# Allegro board RK_NVR_DEMO1_RK3588_LP4XD200P232SD8_V21_20211228_final_lint.brd (continued)
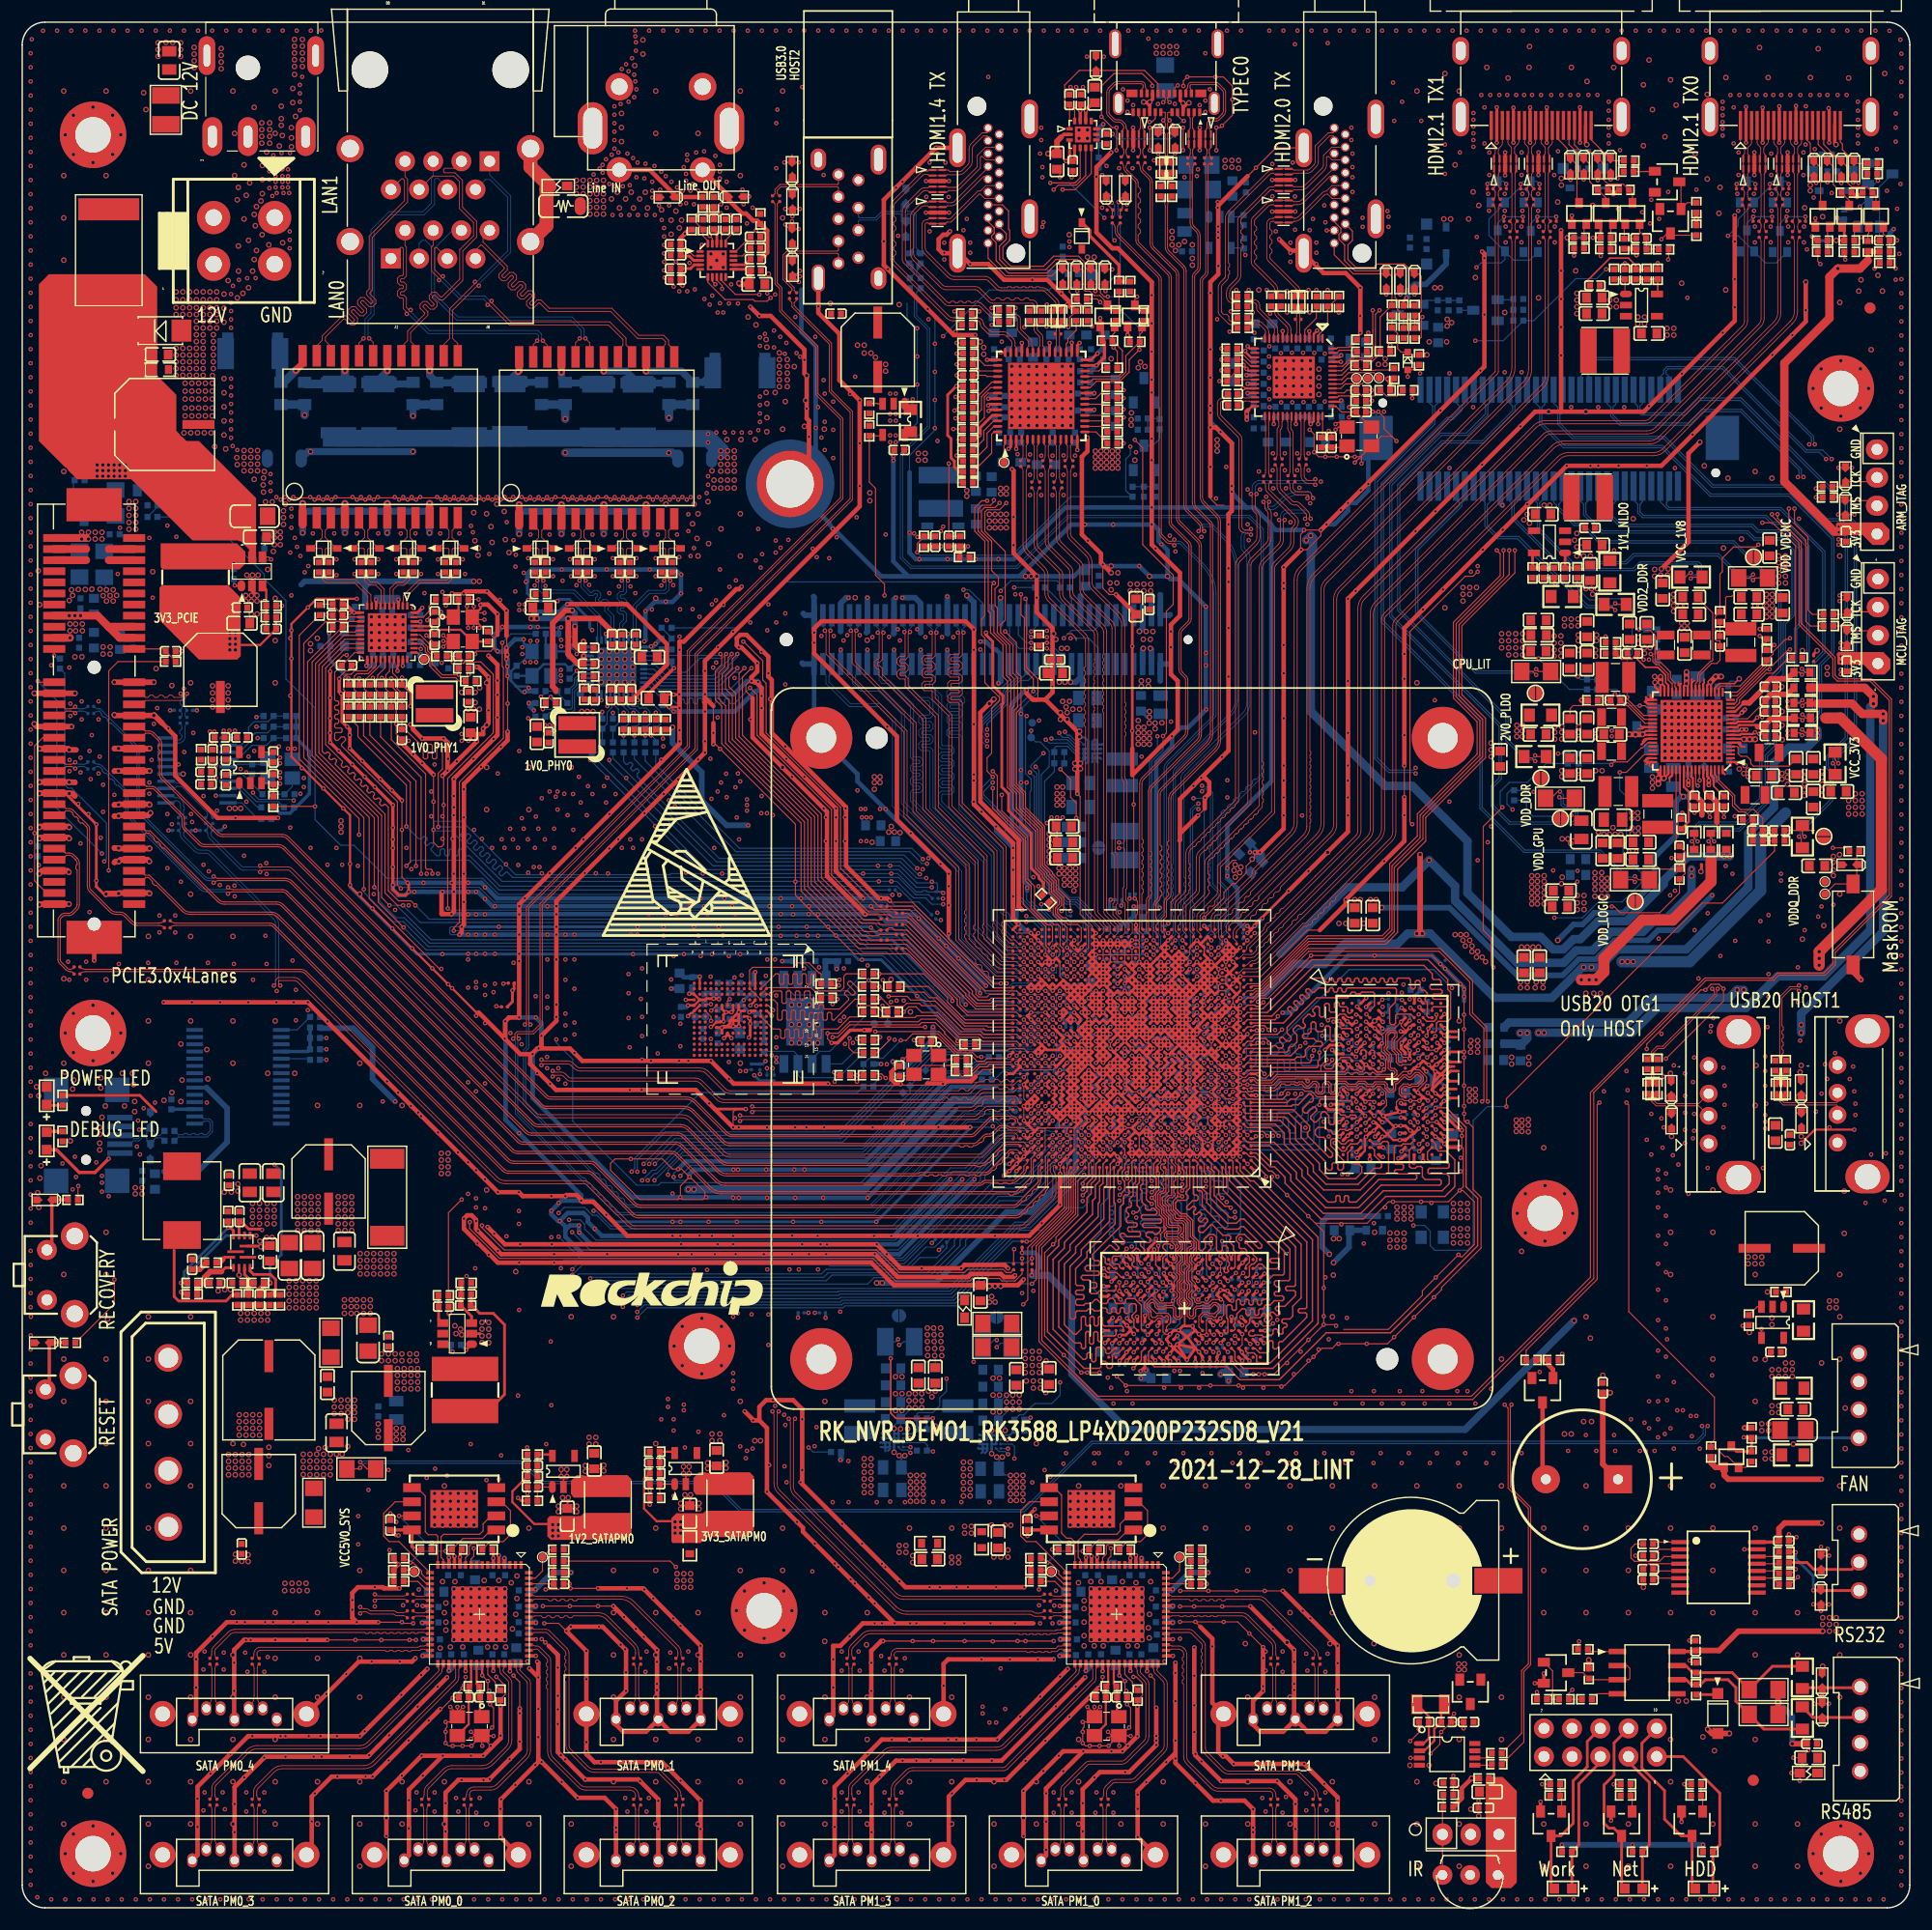
[diagram p0: board, top side]
## Routing (per net, layer and track width the routed paths; a pad name or vN(x,y) marks a point on that pad's centre or on a via; arc(x,y) is an arc through that point) (continued)
  BOTTOM w0.254: v2(163.45,150.3) 163.43,150.29 161.64,150.29 v1(161.26,150.66) ; R1111.1 R1112.1 66.72,76.06 v1(66.98,76.32) ; v2(139.22,150.54) v1(141.53,150.54) ; v1(105.2,85.26) 105.01,85.45 C1421.1 ; R1118.1 R1117.1 66.47,74.54 v1(65.96,75.05) ; C1901.1 94.09,78.71 v1(94.15,78.76) ; R1115.1 69.9,53.61 v1(69.9,53.21) ; R1116.1 72.38,53.61 v1(72.38,53.18) ; C1302.1 v1(106.5,78.76) ; C1113.1 v1(93.5,75.51) ; C1905.1 93.97,81.54 v1(94.15,81.36)
  BOTTOM w0.406: v1(97.41,160.77) 97,160.37 R2500.2 ; v1(64.06,79.47) 64.67,78.86 ; 64.67,78.86 64.67,79.37 v1(64.56,79.47) ; 64.67,78.86 C4007.1 ; C4006.1 64.63,80.67 v1(64.56,80.74) ; v1(63.05,79.35) 62.61,78.91 62.58,78.91
  BOTTOM w0.508: 31.39,119.58 30.88,119.07 ; 31.39,119.58 v2(40.69,119.58) ; 31.39,119.58 30.78,119.58 ; 30.88,119.07 30.88,119.48 30.78,119.58 ; 30.88,119.07 R6833.1 ; 95.35,110.91 95.53,110.73 95.53,110.12 ; 95.35,110.91 U4700.62 ; 95.35,110.91 94.92,110.48 v2(94.46,110.48) ; v1(138.73,5.68) v1(145.08,5.68) v1(151.43,5.68) ; v1(152.27,91.28) 149.12,88.13 147.39,88.13 146.48,87.22 143.48,87.22 141.78,85.51 140.26,85.51 138.81,84.07 134.69,84.07 128.6,90.16 v2(122.5,90.16) ; R9102.1 26.9,79.29 29.84,79.29 31.57,77.56 31.57,74.72 v1(33.6,72.69) ; R2204.1 73.78,40.42 v1(73.73,40.38) ; 30.78,119.58 25.45,119.58 25.14,119.27
  vias: v1(163.68,124.5) v1(163.68,123.99) v1(163.85,112.82) v1(163.85,112.31) v2(25.98,113.94) v2(25.98,113.33) v2(26.59,114.44) v2(37.77,68.01) v2(37.77,67.4) v2(37.77,66.79) v2(37.77,66.18) v2(38.38,68.01) v2(38.38,67.4) v2(38.38,66.79) v2(38.38,66.18) v2(41.2,119.58) v2(59,30.12) v2(59,29.51) v2(59,28.9) v2(59.61,30.12) v2(59.61,29.51) v2(59.61,28.9) v2(60.22,30.12) v2(60.22,29.51) v2(60.22,28.9) v2(76.78,101.95) v2(76.78,101.44) v2(76.78,100.83) v2(77.29,101.95) v2(77.29,101.44) v2(93.44,110.48) v2(93.95,110.48) v2(99.95,134.76) v2(99.92,134.15) v2(99.92,133.65) v2(107.67,132.33) v2(107.67,131.82) v2(107.67,131.31) v2(128.39,143.2) v2(128.8,142.89) v2(129.44,21.98) v2(129.44,21.47) v2(129.94,21.98) v2(162.23,26.15) v2(162.23,25.54) v2(162.84,26.15) v2(162.84,25.54) v2(162.84,24.93) v2(163.45,26.15) v2(163.45,25.54) v2(163.45,24.93) v2(164.56,99.81) v2(164.56,99.2) v2(164.56,98.59) v2(165.17,100.42) v2(165.17,99.81) v2(165.17,99.2) v2(165.17,98.59) v2(165.78,100.42) v2(165.78,99.81) v2(165.78,99.2) v2(165.78,98.59)
VCC_3V3_P: length 58.2
  TOP w0.102: U2100.5 154.51,104.68 154.61,104.58 154.61,104.06 154.86,103.8 155.4,103.8 155.75,103.45 155.75,103.14 155.98,102.91 159.19,102.91 C2142.1 ; R2127.2 163.35,103.47 v1(163.65,103.17)
  BOTTOM w0.102: v1(163.65,103.17) 163.65,103.78 165.28,105.4 165.28,124.81 164.46,125.62 164.46,126.53 154.9,136.1 151.06,136.1 149.73,134.76 145.97,134.76 145.77,134.97 145.77,135.37 145.99,135.6 J9800.9
VCC_OVDD33: length 5.6
  TOP w0.203: v1(110.06,139.08) 110.06,138.98 v1(110.31,138.73) 110.48,138.56 U5100.20 ; U5100.53 v1(118.82,139.36) ; U5100.23 110.44,137.36 v1(110.41,137.39)
  TOP w0.406: R5121.1 123.26,137.57 v1(123.01,137.81) 123.07,137.87 R5138.2 ; R5136.2 v1(118.64,143.81)
  BOTTOM w0.406: C5112.1 110.43,137.37 v1(110.41,137.39)
  vias: v2(122.2,139.13) v2(122.81,139.64) v2(122.81,139.13)
VCC_OVDD33_6161: length 20.9
  TOP w0.254: v1(87.05,136.04) 87.05,136.04 U5500.50 ; U5500.27 v1(96.8,139.04) ; R5504.2 v1(84.17,137.16) 83.39,136.38 83.39,132.73 83.69,132.43 83.69,130.7 84,130.4 84,129.9 84.45,129.44 R5556.2 ; v1(96.59,135.04) U5500.19 ; v1(84.2,140.1) R5509.2
  TOP w0.305: Q5502.1 v1(99.6,141.77) 99.8,141.58 R5547.1 ; v1(97.13,143.3) Q5501.1 97.33,142.35 R5542.1 97.51,141.09 97.51,139.75 v1(96.8,139.04)
  BOTTOM w0.406: C5506.1 96.52,134.97 v1(96.59,135.04) ; v1(96.8,139.04) 96.28,138.52 C5507.1 ; v1(87.05,136.04) 87.29,136.29 C5510.1
  vias: v2(100.56,138.83) v2(100.76,139.34) v2(101.17,138.93)
VCCA1V2_IMAGE: length 77.2
  TOP w0.152: v2(149.67,100.16) 149.37,100.47 U2100.57
  TOP w0.254: v1(98.7,83.96) U1000.AH19
  L6-S2 w0.089: 99.55,85.29 99.44,85.18 99.44,85.16 99.02,84.75 99.02,84.48 99.03,84.47 99.03,84.3 v1(98.7,83.96)
  L6-S2 w0.254: 99.55,85.29 99.55,85.29 99.55,85.56 100.39,86.4 100.39,87.48 99.96,87.91 99.96,89.87 99.68,90.15 99.68,90.51 99.77,90.59 v1(99.77,90.97) 99.77,91.79 103.63,95.65 123.72,95.65 125.55,93.82 126.67,93.82 128.39,92.09 131.7,92.09 135.66,88.13 136.52,88.13 137.44,87.22 v2(138.35,87.22)
  BOTTOM w0.254: C1608.1 98.49,84.17 v1(98.7,83.96) ; v1(99.77,90.97) 99.8,91 C1609.1
  BOTTOM w0.508: C2159.1 v2(149.67,100.16) 149.47,100.16 149.02,99.71 149.02,96.66 147.09,94.73 147.09,92.52 144.27,89.7 141.65,89.7 140.59,88.64 139.77,88.64 v2(138.35,87.22)
VCCA1V8_IMAGE: length 263
  TOP w0.102: v1(150.44,96.13) 150.65,95.93 R2133.2
  TOP w0.254: U1000.AD7 106.82,81.69 v1(107.15,82.01) ; U1000.AJ19 99.02,84.94 v1(98.7,84.61) ; U1000.AD6 107.47,81.69 v1(107.8,82.01) ; U1000.AC6 107.47,81.04 v1(107.8,81.36) ; v1(107.15,81.36) 106.82,81.04 U1000.AC7 ; v1(94.8,80.06) U1000.AB26 94.15,80.06 U1000.AA26 v1(94.8,80.06)
  TOP w0.406: v2(87.55,108.96) v2(87.15,108.55) 86.33,107.74 86.33,99.71 89.79,96.26 89.79,90.26 v1(90.09,89.96)
  L6-S2 w0.089: 94.98,80.06 95.26,80.06 95.77,80.58 95.77,81.5 95.36,81.91 95.17,81.91 95.17,81.54 95.12,81.5 95.12,80.21 94.98,80.06 ; 94.98,80.06 v1(94.8,80.06) ; 93.85,84.27 94.02,84.27 94.02,84.27 94.28,84.27 94.46,84.09 94.46,83.76 94.46,83.76 ; 93.1,84.92 92.69,84.92 92.53,85.08 92.53,86.81 92.83,87.11 93.16,86.79 93.16,84.9 93.14,84.88 93.1,84.92
  L6-S2 w0.254: 92.83,87.11 92.83,87.64 90.65,89.83 90.12,89.83 90.09,89.86 v1(90.09,89.96) ; v1(98.7,84.61) 98.7,84.94 99.19,85.43 99.19,85.96 99.56,86.33 99.56,89.76 99.03,90.29 v1(99.03,90.34) 99.34,90.65 99.34,91.97 103.37,96 123.87,96 125.65,94.23 126.57,94.23 v2(126.77,94.43) ; 93.14,84.88 93.26,84.76 93.26,84.28 94.06,83.47 94.3,83.47 94.99,82.78 94.99,82.09 95.17,81.91
  L6-S2 w0.762: v2(87.15,108.55) v2(87.55,108.96) 92.83,108.96 93.44,109.57 95.48,109.57 96.26,108.78 105.46,108.78 106.35,109.67 130.02,109.67 133.17,106.52 133.17,105 134.9,103.27 134.9,102.76 135.91,101.74 136.62,101.74 137.39,100.98 137.39,99.97 137.97,99.39 139.04,99.39 139.27,99.61 145.77,99.61 147.29,98.09 147.29,97.38 150.42,94.25 v2(150.42,93.62) v2(150.42,93.01)
  BOTTOM w0.102: J9800.30 137.99,126.69 138.25,126.43 138.25,126.19 139.83,124.6 140.49,124.6 142.06,123.03 154.14,123.03 157,120.17 157,119.69 158.27,118.43 158.27,111.7 157.25,110.69 157.25,104.89 156.54,104.18 156.54,100 154.42,97.88 151.07,97.88 150.65,97.46 150.65,96.33 v1(150.44,96.13)
  BOTTOM w0.254: v1(98.7,84.61) 98.51,84.8 C1610.1 ; v1(99.03,90.34) 99.08,90.39 C1611.1 ; C1603.1 95.18,79.68 v1(94.8,80.06) 94.76,80.02 C1602.1
  BOTTOM w0.762: 113.36,86 119.35,91.99 124.33,91.99 v2(126.77,94.43) 129.11,92.09 129.11,90.77 134.69,85.18 138.89,85.18 140.01,86.3 141.5,86.3 143.18,87.98 146.02,87.98 147.24,89.2 148.16,89.2 150.42,91.46 v2(150.42,93.01) v2(150.42,93.62)
VCCA1V8_IMAGE_P: length 59.7
  TOP w0.102: v1(150.95,96.13) 150.65,96.44 R2133.1
  TOP w0.203: U2100.58 149.72,101.04 150.16,100.6 150.16,97.93 C2157.1
  BOTTOM w0.102: J9800.28 138.79,126.87 138.45,126.53 138.45,126.27 139.92,124.81 140.59,124.81 142.16,123.23 154.23,123.23 157.22,120.24 157.22,119.78 158.47,118.53 158.47,111.6 157.45,110.58 157.45,104.79 156.74,104.08 156.74,99.91 154.51,97.68 151.15,97.68 150.85,97.38 150.85,96.23 v1(150.95,96.13)
VCCA1V8_PLDO6: length 58.1
  TOP w0.14: U2100.20 152.52,109.98 152.9,110.36 154.28,110.36 v2(154.71,110.79)
  L4-S1 w0.762: v2(154.51,82.75) v2(155.12,82.75) 155.22,82.85 155.22,99.71 156.54,101.03 156.54,103.5 157.43,104.39 157.43,107.87 154.71,110.58 v2(154.71,110.79)
  BOTTOM w0.102: C2158.1 153.72,110.38 153.91,110.57 154.5,110.57 v2(154.71,110.79)
  BOTTOM w0.762: v2(155.12,82.75) v2(154.51,82.75) 153.79,82.03 146.89,82.03 144.65,79.8 133.96,79.8 R3800.2
VCCA3V3_PI6C_05: length 1.6
  BOTTOM w0.305: U8400.15 v2(14.5,102.21)
VCCA_1V8: length 130.4
  TOP w0.102: v1(151.94,96.13) 152.14,95.93 R2132.2
  TOP w0.254: U1000.AG14 v1(102.6,83.96) ; v1(96.1,70.31) 96.42,70.64 U1000.G23 v1(96.75,70.96) 96.42,71.29 U1000.H23 ; U1000.M12 v1(103.25,74.21) ; U1000.AG13 v1(103.25,83.96) ; v1(93.5,72.26) U1000.K27 93.5,72.91 U1000.L27 v1(93.5,73.56) 93.82,73.89 U1000.M27 v1(93.5,74.21) U1000.N27 ; U1000.AH18 99.67,84.29 v1(99.35,84.61) ; U1000.AG11 v1(104.55,83.31) ; U1000.K16 v1(100.65,72.26) ; U1000.U18 v1(99.35,77.46)
  TOP w1.016: v2(140.49,83.66) v2(141.2,83.66) v2(141.81,83.66) 142.52,84.37 142.52,85.59 145.97,89.04 148.71,89.04 152.17,92.5 152.17,94.43
  L6-S2 w0.089: 95.26,70.96 94.93,70.64 94.66,70.64 94.47,70.83 94.47,71.01 94.24,71.25 94.06,71.25 93.5,71.8 v1(93.5,72.26) U1000.K27 94.93,72.59 95.55,71.97 95.55,71.51 ; v1(99.35,84.61) 99.67,84.29 99.67,77.79 v1(99.35,77.46) 99.67,77.14 99.67,73.24 100.27,72.64 ; v1(103.25,74.21) 102.79,74.21 ; 100.27,72.64 98.98,72.64 98.6,72.26 96.82,72.26 96.42,71.85 96.42,71.48 ; 100.27,72.64 v1(100.65,72.26) 100.32,71.94 97.26,71.94 97.07,71.75 97.07,71.48 96.56,70.96 ; v1(96.1,70.31) 95.77,69.99 95.13,69.99 94.97,70.15 ; 100.76,72.48 100.96,72.69 100.96,72.77 100.97,72.78 100.97,73.05 100.96,73.06 100.96,73.19
  L6-S2 w0.254: v1(93.5,72.26) v1(93.5,73.56) v1(93.5,74.21)
  L6-S2 w1.016: v2(140.49,83.66) v2(141.2,83.66) v2(141.81,83.66)
  BOTTOM w0.102: J9800.24 140.39,126.83 140.69,126.53 140.69,125.56 142.33,123.92 155.4,123.92 156.03,123.28 158.46,123.28 159.46,122.28 159.46,116.58 158.67,115.79 158.67,111.19 157.86,110.38 157.86,104.69 157.05,103.88 157.05,99.64 154.68,97.27 152.49,97.27 152.07,96.85 152.07,96.26 v1(151.94,96.13)
  BOTTOM w0.203: 99.54,88.76 C1806.1
  BOTTOM w0.254: 98.82,85.18 98.57,85.18 98.47,85.29 98.47,85.45 ; v1(100.65,72.26) 100.42,72.03 C1214.1 ; 99.03,77.13 99.03,77.15 v1(99.35,77.46) ; v1(103.25,74.21) 102.97,74.49 C1217.1 ; v1(93.5,74.21) 93.88,73.83 93.88,73.78 93.71,73.78 v1(93.5,73.56) 93.58,73.48 C1803.1 93.58,72.35 v1(93.5,72.26) 93.73,72.03 93.87,72.03 93.29,71.45 C1819.1 ; 96.48,70.55 96.61,70.42 96.61,69.8 ; 96.48,70.55 96.23,70.31 v1(96.1,70.31) 96.61,69.8 ; 96.48,70.55 96.48,70.69 v1(96.75,70.96) ; C1418.1 104.32,83.09 v1(104.55,83.31) 104.77,83.09 C1417.1 ; 102.22,84.29 102.27,84.29 v1(102.6,83.96) 102.33,83.69 102.22,83.69 ; C1503.1 98.47,85.54 97.97,86.04 R9300.1 ; 96.61,69.8 C1807.1 ; 103.61,83.72 103.36,83.96 v1(103.25,83.96) 103.6,84.32 103.63,84.32
  BOTTOM w0.406: R1503.1 100.21,90.21 v1(100.15,90.26) 100.15,89.37 99.54,88.76 99.2,88.76 R1502.1
VCCA_1V8_P: length 58.8
  TOP w0.102: v1(152.45,96.13) 152.14,96.44 R2132.1
  TOP w0.203: C2155.1 150.54,100.33 150.54,100.75 150.53,100.75 150.53,101.82 150.42,101.94 U2100.60
  TOP w0.508: C2155.1 150.84,100.19 151.34,99.68 151.34,98.5
  BOTTOM w0.102: v1(152.45,96.13) 152.27,96.31 152.27,96.77 152.58,97.07 154.76,97.07 157.25,99.56 157.25,103.78 158.06,104.59 158.06,110.28 158.87,111.09 158.87,115.71 159.66,116.5 159.66,122.37 158.54,123.49 156.13,123.49 155.5,124.12 142.42,124.12 140.89,125.65 140.89,126.64 141.19,126.93 J9800.22
VCCA_3V3: length 153.5
  TOP w0.254: U7000.4 60.56,148.11 60.22,147.77 C7008.1 ; U7000.11 65.52,147.71 C7010.1
  TOP w0.406: v1(59.5,146.23) 59.33,146.4 C7009.1 C7008.1
  TOP w0.508: C7010.1 65.52,147.42 C7011.1 64.69,146.35 v2(64.59,146.45)
  L4-S1 w0.508: v2(64.59,146.45) 68.15,146.45 70.08,144.52 70.08,144.11 76.27,137.91 76.27,135.78 76.99,135.07 76.99,128.16 v2(76.38,127.55) v2(76.38,126.84)
  L6-S2 w0.508: v1(59.5,146.23) 60.22,146.96 64.08,146.96 v2(64.59,146.45)
  L6-S2 w0.762: v2(76.38,127.55) v2(76.38,126.84) 78.1,128.57 86.74,128.57 87.15,128.97 89.18,128.97 89.69,128.47 96.8,128.47 97.1,128.16 107.47,128.16 110.11,125.52 111.73,125.52 113.97,123.28 v2(115.69,123.28) v2(116.1,123.69)
  BOTTOM w0.762: v2(153.85,94.78) v2(153.34,94.78) 150.08,94.78 147.9,92.6 147.9,92.3 144.55,88.94 142.01,88.94 140.38,87.32 139.77,87.32 138.86,86.4 137.95,86.4 136.83,87.52 134.19,87.52 130.22,91.48 130.22,96.16 125.25,101.13 122.81,101.13 116.1,107.84 116.1,122.17 116.3,122.37 116.3,123.49 v2(116.1,123.69) v2(115.69,123.28)
VCCA_3V3_P: length 5.3
  TOP w0.203: U2100.63 151.47,101.85 151.54,101.78 151.54,100.66 C2160.1
  TOP w0.508: C2160.1 152.17,100.19 152.69,99.66 152.69,97.87
VCCA_ASPVCC33: length 13.2
  TOP w0.203: U5100.39 115.97,133.88 v1(116.1,133.75) 116.37,134.02 U5100.40 ; U5100.24 v1(110.01,136.96)
  L6-S2 w0.406: v1(116.1,133.75) 115.59,133.75 114.98,133.14 112.65,133.14 109.8,135.98 109.8,136.76 v1(110.01,136.96)
  BOTTOM w0.406: C5117.1 C5118.1 116.1,134.24 v1(116.1,133.75)
VCCA_PVCC33_6161: length 0.9
  TOP w0.254: v1(94.57,141.09) U5500.30
VCCA_TPVCC33: length 1.7
  TOP w0.203: v1(116.68,142.18) 116.37,141.88 U5100.3
  BOTTOM w0.102: v1(116.68,142.18) 116.91,141.95 C5110.1
VCCIO_PHY0: length 5.8
  TOP w0.305: 56.63,109.22 C6709.1 56.45,109.47 v1(58.72,111.75)
  BOTTOM w0.203: v1(52.72,108.32) 52.7,108.34 52.7,108.86 52.59,108.97 U6701.28 ; R6735.1 58.51,111.96 v1(58.72,111.75)
VCCIO_PHY1: length 7.1
  TOP w0.203: R6835.1 27.97,115.21 v1(27.66,114.9) ; v1(33.81,111.5) 33.81,111.93 33.89,112.01 U6801.28 ; R6822.1 v1(29.39,110.82)
  BOTTOM w0.305: v1(27.66,114.9) 27.66,112.56 v1(29.39,110.82)
VCCIO_SD_P: length 2.9
  TOP w0.152: 152.4,101.24 152.4,101.12 C2163.1
  TOP w0.203: 152.4,101.24 152.4,101.85 152.17,102.07 U2100.65
VDD1_1V8_DDR: length 31
  TOP w0.254: U3801.F12 108.3,49.34 v1(108.17,49.21) ; v1(102.16,60.29) 102.16,60.09 101.47,59.4 101.47,59.22 101.45,59.2 101.45,58.73 U3801.U1 ; U3800.F12 v1(128.15,77.96) ; U3800.T9 v1(125.75,71.46) ; U3801.G4 v1(107.31,55.7) ; v1(128.17,70.81) 128.15,70.81 U3800.U12 ; U3800.T4 v1(121.82,71.39) ; v1(101.4,55.62) 101.4,55.64 U3801.T4 ; v1(121.73,77.95) U3800.G4 ; U3801.T9 v1(101.42,51.65) ; U3800.F1 v1(118.71,78.61) ; v1(100.76,48.38) 101.15,48.77 U3801.U12 ; v1(118.68,70.82) 118.7,70.82 U3800.U1 ; v1(107.97,58.77) U3801.F1 ; U3800.G9 125.7,77.91 125.72,77.91 125.82,78.01 v1(125.84,78.01) ; U3801.G9 v1(108.03,51.66)
  L4-S1 w0.102: v1(101.4,55.62) 101.36,55.62 100.91,56.07 100.65,56.07 100.45,56.27 100.45,56.97 100.51,57.03 100.51,57.3 100.45,57.35 100.45,58.59 100.51,58.65 100.53,58.65 100.72,58.84 100.72,58.85 v1(102.16,60.29) ; 106.33,56.69 106.33,56.42 106.52,56.22 106.78,56.22 v1(107.31,55.7)
  BOTTOM w0.254: v1(125.84,78.01) 125.82,78.01 125.61,77.81 125.55,77.81 C3805.1 ; v1(128.15,77.96) 128.29,78.1 C3802.1 ; C3808.1 v1(118.71,78.61) ; C3846.1 108.7,48.69 v1(108.17,49.21) 108.28,49.32 C3848.1 ; C3807.1 125.7,71.51 v1(125.75,71.46) ; v1(118.68,70.82) 118.64,70.86 C3806.1 ; v1(107.31,55.7) 107.31,55.67 107.24,55.59 107.24,55.14 C3851.1 ; C3847.1 108.15,58.95 v1(107.97,58.77) ; C3803.1 122.12,71.7 v1(121.82,71.39) ; C3852.1 101.53,55.49 101.4,55.61 v1(101.4,55.62) ; v1(108.03,51.66) 108.13,51.76 108.5,51.76 C3850.1 ; v1(101.42,51.65) 101.19,51.88 101.17,51.88 C3849.1 ; v1(128.17,70.81) 128.17,70.84 128.51,71.18 C3800.1 ; C3804.1 121.73,77.55 v1(121.73,77.95) ; C3853.1 102,60.14 v1(102.16,60.29)
  BOTTOM w0.635: v1(107.97,48.1) 108.13,48.25 C3846.1 v1(108.7,47.5) ; v1(100.81,47.74) C3845.1 101.27,48.19 v1(101.27,48.46)
  vias: v2(130.4,73.78) v2(130.4,73.25) v2(130.4,72.74) v2(130.5,77.67) v2(130.5,77.13) v2(130.53,78.17) v2(130.93,73.78) v2(130.93,73.25) v2(130.93,72.74) v2(131.14,78.17) v2(131.14,77.67) v2(131.14,77.13)
VDD1V2_SATAPM0: length 17.4
  TOP w0.203: C8244.1 46.14,34.6 44.17,36.57 44.17,37.54 R8216.1 C8243.1
  TOP w0.305: U8200.23 v1(36.08,27.21) ; U8200.4 v1(43.45,31.51) ; U8200.35 v1(38.45,21.37) ; U8200.52 v1(46.28,24.21) ; U8200.46 v1(43.95,21.33) ; U8200.14 v1(38.45,31.57) ; U8200.29 v1(36.13,24.21) ; U8200.58 v1(46.28,27.21)
  BOTTOM w0.508: C8247.1 38.66,21.58 v1(38.45,21.37) ; C8249.1 36.17,24.2 36.16,24.21 v1(36.13,24.21) ; v1(46.28,27.21) 46.21,27.14 C8253.1 ; v1(43.45,31.51) 43.45,30.94 C8254.1
  vias: v1(45.51,22.22) v2(47.8,34.54) v2(47.8,34.03) v2(47.8,33.52) v2(48.31,34.54) v2(48.31,34.03) v2(48.31,33.52) v2(79.02,32.66) v2(79.02,32.05) v2(79.63,32.66) v2(79.63,32.05)
VDD1V2_SATAPM1: length 7.7
  TOP w0.305: U8300.14 v1(95.85,31.57) ; U8300.46 v1(101.35,21.33) ; U8300.58 v1(103.68,27.21) ; U8300.29 v1(93.54,24.21) ; U8300.23 v1(93.48,27.21) ; U8300.52 v1(103.68,24.21) ; U8300.4 v1(100.85,31.51) ; U8300.35 v1(95.85,21.37)
  BOTTOM w0.508: C8348.1 103.62,27.14 v1(103.68,27.21) ; v1(93.54,24.21) 93.56,24.21 93.57,24.2 C8342.1 ; C8343.1 96.06,21.58 v1(95.85,21.37) ; v1(100.85,31.51) 100.85,30.94 C8349.1
  vias: v1(102.92,22.22) v2(83.74,31.62) v2(83.74,31.11) v2(84.38,31.62) v2(84.38,31.11)
VDD2_DDR: length 82
  TOP w0.102: 142.33,117.42 142.53,117.21 143.3,117.21 ; v1(143.53,116.98) 143.3,117.21 ; 143.3,117.21 143.23,117.29 142.74,117.29 R2102.1
  TOP w0.254: U3801.H5 107,55.13 v1(106.73,54.86) ; U3801.N12 104.12,49.27 v1(104.19,49.27) ; v1(102.3,52.47) 102.45,52.63 U3801.R8 ; U3801.K12 v1(105.7,49.21) ; U3801.F8 v1(108.02,52.55) ; U3800.R12 v1(128.11,72.72) ; U3801.U8 101.15,53.37 v1(101.18,53.39) ; U3800.A9 125.45,81.56 v1(125.45,82.16) ; v1(118.03,77.34) 118.38,76.99 U3800.H1 ; v1(102.85,49.26) 102.83,49.26 U3801.R12 ; U3800.H8 124.62,77.09 124.24,77.48 124.24,77.91 v1(124.3,77.96) U3800.F8 ; U3801.A4 v1(111.88,56.36) ; U3801.A9 v1(111.98,52.04) ; U3800.U8 124.52,71.24 v1(124.23,71.24) ; v1(124.23,72.53) 124.33,72.44 U3800.R8 ; U3801.R1 102.45,58.73 102.56,58.84 v1(102.56,58.87) ; U3801.R5 102.45,55.09 v1(102.69,54.85) ; U3801.N3 v1(103.44,57.15) ; v1(119.4,73.36) U3800.N1 ; U3800.K10 v1(126.51,75.4) ; U3800.K12 v1(128.15,76.01) ; v1(122.6,72.64) 122.41,72.44 122.22,72.44 ; v1(97.46,56.04) U3801.AB4 ; v1(107.11,58.92) 107,58.81 U3801.H1 ; 122.22,76.99 v1(122.56,76.65) ; v1(105.99,58.72) U3801.K1 ; 122.22,78.29 v1(121.9,78.61) ; U3800.H12 v1(128.15,77.31) ; 122.22,71.14 v1(122.55,70.81) ; U3800.K3 120.33,75.98 120.32,75.98 v1(120.3,76.01) ; U3801.F5 108.81,54.73 v1(109.01,54.73) ; v1(117.9,72.38) 117.96,72.44 U3800.R1 ; U3801.H8 v1(107.33,52.51) ; U3800.A4 v1(121.08,81.2) ; v1(125.4,67.18) 125.4,67.3 125.42,67.33 U3800.AB9 ; U3801.U5 v1(100.78,54.86) ; U3800.AB4 v1(121.42,67.48) ; v1(118.69,76.02) U3800.K1 ; U3800.N12 v1(128.15,74.07) ; U3801.K3 105.7,56.82 105.95,56.57 v1(105.95,56.52) ; U3801.K10 v1(106.03,50.91) ; v1(120.25,73.36) U3800.N3 ; v1(103.55,58.79) 103.75,58.59 U3801.N1 ; U3800.N10 v1(126.58,74.1) ; U3801.H12 v1(107,49.21) ; U3801.N10 v1(104.09,51.57) ; U3801.AB9 v1(97.33,52.04)
  L4-S1 w0.254: 124.33,78.27 124.3,78.24 v1(124.3,77.96) ; 103.2,52.47 v1(102.3,52.47) ; v1(122.56,76.65) 122.51,76.65 122.3,76.45 ; 121.69,78.78 121.86,78.61 v1(121.9,78.61) ; v1(120.3,76.01) 120.3,73.41 v1(120.25,73.36)
  L4-S1 w0.406: v1(100.78,54.86) 100.66,54.74 100.66,53.91 v1(101.18,53.39)
  BOTTOM w0.102: J9800.46 131.59,126.9 131.8,126.69 131.8,124.55 132.93,123.41 134.72,123.41 140.94,117.19 143.33,117.19 v1(143.53,116.98)
  BOTTOM w0.254: v1(107.11,58.92) 107.16,58.97 107.52,58.97 R3816.1 ; C3822.1 118.92,75.76 118.69,75.99 v1(118.69,76.02) ; v1(128.11,72.72) 128.25,72.87 128.48,72.87 128.5,72.89 C3823.1 ; 127.24,74.67 127.37,74.54 127.68,74.54 v1(128.15,74.07) ; 127.24,74.67 127.24,74.67 v1(126.51,75.4) ; 127.24,74.67 C3811.1 127.24,74.59 126.74,74.1 v1(126.58,74.1) ; v1(102.69,54.85) 102.94,55.11 C3864.1 ; v1(122.55,70.81) 122.76,70.81 123.19,71.24 C3816.1 124.23,71.24 v1(124.23,71.24) ; v1(111.88,56.36) 111.92,56.41 C3865.1 ; C3813.1 126,82.74 125.45,82.19 v1(125.45,82.16) ; R3817.2 102.23,58.51 102.56,58.84 v1(102.56,58.87) ; v1(106.73,54.86) 106.73,54.03 ; 106.73,54.03 106.73,54.03 106.6,53.9 106.6,53.34 106.63,53.34 C3861.1 106.96,52.95 106.96,52.88 v1(107.33,52.51) ; 106.73,54.03 C3854.1 ; C3859.1 105.79,49.13 v1(105.7,49.21) ; v1(120.3,76.01) 120.3,75.98 120.32,75.96 C3817.1 ; C3814.1 119.39,72.98 119.39,73.36 v1(119.4,73.36) ; v1(125.4,67.18) 125.38,67.2 125.38,67.66 C3820.1 ; v1(104.09,51.57) 104.09,51.4 104.95,50.54 C3856.1 ; v1(107,49.21) 107.03,49.18 107.03,48.78 C3862.1 ; v1(104.19,49.27) 104.19,49.58 C3856.1 ; C3856.1 105.46,50.35 v1(106.03,50.91) ; v1(109.01,54.73) 109.14,54.85 C3866.1 ; v1(105.95,56.52) 105.95,56.57 105.65,56.87 105.46,56.87 C3863.1 ; v1(121.42,67.48) 121.53,67.37 C3810.1 ; C3868.1 102.88,48.87 102.88,49.23 v1(102.85,49.26) ; v1(101.18,53.39) 101.33,53.55 C3855.1 101.33,54.31 v1(100.78,54.86) ; v1(117.9,72.38) 118.43,72.38 R3807.2 ; C3818.1 128.57,75.79 128.37,75.79 v1(128.15,76.01) ; C3860.1 97.71,55.78 v1(97.46,56.04) ; C3858.1 97.63,51.74 v1(97.33,52.04) ; C3815.1 128.29,77.46 v1(128.15,77.31) ; C3821.1 121.13,81.15 v1(121.08,81.2) ; v1(111.98,52.04) 112.03,52.08 C3867.1 ; C3812.1 122.76,76.45 v1(122.56,76.65) ; C3857.1 102.85,52.97 102.35,52.47 v1(102.3,52.47) ; R3806.1 v1(118.03,77.34)
  BOTTOM w0.305: C3819.1 124.48,78.25 124.48,78.23 124.3,78.04 v1(124.3,77.96)
  vias: v2(123.87,63.16) v2(123.87,62.63) v2(123.87,62.1) v2(124.51,63.16) v2(124.51,62.63) v2(124.51,62.1) v2(125.14,63.16) v2(125.14,62.63) v2(125.14,62.1) v2(138.96,116.17) v2(138.96,115.56) v2(139.57,116.17) v2(139.57,115.56) v2(140.18,116.17) v2(140.18,115.56)
VDD2_DDR_CKE: length 34.7
  TOP w0.254: U1000.N8 v1(106.5,74.86) ; U1000.H13 v1(102.6,70.96)
  L3-POWER1 w0.406: v1(102.6,70.96) 102.18,70.96
  L3-POWER1 w0.508: v2(117.78,58.92) 115.36,58.92 112.7,61.59 106.27,61.59 102.99,64.86 102.99,66.49 102.28,67.2
  L6-S2 w0.089: 108.07,74.62 108.07,74.7 108.11,74.73 108.11,74.99 107.93,75.17 107.67,75.17 107.62,75.13 107.36,75.13 ; 108.07,73.91 108.07,74.05 108.11,74.08 108.11,74.34 108.07,74.37 108.07,74.52 ; 108.18,72.99 108.18,72.79 107.97,72.59 ; 106.25,73.6 106.25,74 106.17,74.08 U1000.N8 106.25,74.61
  L6-S2 w0.254: v1(102.6,70.96) 102.69,70.96 103.1,71.37
  BOTTOM w0.254: C1216.1 106.24,74.6 v1(106.5,74.86) ; v1(102.6,70.96) 102.83,70.73 C1219.1
  BOTTOM w0.508: v2(117.78,58.92) 117.14,59.56 117.14,61.84 117.65,62.35 R1205.1
VDD2_DDR_P: length 28.1
  TOP w0.102: 146.28,115.16 146.68,115.16 147.13,114.71 147.13,112.43 147.29,112.26 147.65,112.26 148.51,111.4 148.51,110.82 148.92,110.42 148.92,110.08 149.02,109.97 U2100.30 ; v1(143.53,117.59) 143.63,117.49 R2102.2
  BOTTOM w0.102: J9800.44 132.39,126.87 132,126.48 132,124.63 133.02,123.61 134.87,123.61 141.09,117.39 143.33,117.39 v1(143.53,117.59)
  BOTTOM w0.203: v1(145.69,115.24) C2101.1 R2103.1
VDD10_PHY0: length 37.9
  TOP w0.406: 54.94,108.92 55.29,109.27 55.3,109.27 58.09,112.05 58.09,113.91 54.48,117.52 v1(49.12,117.52) ; 54.94,108.92 C6722.1 ; 54.94,108.92 55.41,108.92 v1(55.46,108.87)
  TOP w0.508: v2(45.87,116.23) v2(46.38,116.23) ; v1(50.6,112.85) 50.59,112.84 C6721.1 50.04,112.15 49.2,113 v2(49.2,116.23) 51.96,116.23 53.15,115.04 C6717.1
  BOTTOM w0.254: U6701.21 55.46,109.39 v1(55.46,108.87) ; U6701.8 v1(54.59,114.83) ; U6701.3 v1(52.59,114.83) ; U6701.38 v1(50.6,112.85)
  BOTTOM w0.406: v1(49.12,117.52) 48.44,116.83 46.27,116.83 45.87,116.43 v2(45.87,116.23)
  BOTTOM w0.508: v2(45.87,116.23) v2(46.38,116.23) v2(49.2,116.23)
VDD10_PHY1: length 4.2
  TOP w0.102: v2(40.82,108.65) 40.76,108.71 C6822.1
  TOP w0.254: U6801.21 31.09,112.06 31.01,111.98 v1(31.01,111.96) ; U6801.8 v1(31.89,117.93) ; U6801.3 v1(33.89,117.93) ; U6801.38 v1(35.88,115.95)
  BOTTOM w0.305: C6821.1 35.88,115.4 v1(35.88,115.95)
  BOTTOM w0.406: C6815.1 31.52,111.96 v1(31.01,111.96)
  vias: v2(40.18,108.04) v2(40.69,108.04) v2(41.2,108.04)
VDD_ASPVCC10: length 11.8
  TOP w0.203: U5100.25 110.44,136.56 v1(110.41,136.53) ; U5100.31 v1(112.77,133.75) ; U5100.36 v1(114.77,133.75) ; U5100.41 v1(116.77,133.75)
  L6-S2 w0.406: v1(110.41,136.53) 110.41,136.11 v1(112.77,133.75) v1(114.77,133.75) 115.38,134.36 116.36,134.36 116.77,133.95 v1(116.77,133.75)
  BOTTOM w0.406: C5133.1 110.58,136.37 v1(110.41,136.53)
VDD_AVCC12_6161: length 0.9
  TOP w0.254: v1(92.57,141.06) U5500.34
VDD_CPU_BIG0: length 235
  TOP w0.254: 100.97,76.49 v1(100.65,76.81) 100.32,76.49 ; 100.97,76.49 v1(100.65,76.16) ; 100.97,76.49 U1000.T16 ; 100.97,76.49 U1000.T16 ; U1000.P17 100.65,74.86 ; U1000.P17 v1(100,75.51) 100.32,75.84 U1000.R17 ; U1000.P17 v1(100,74.86) 100.32,74.54 ; U1000.P17 v1(100.65,75.51) ; 100.65,74.86 U1000.N16 ; 100.65,74.86 100.97,75.19 ; 100.65,74.86 100.32,74.54 ; U1000.T17 v1(100,76.81) ; U1000.T17 v1(100.65,76.16) ; U1000.T17 100.32,76.49 ; U1000.R17 v1(100.65,75.51) ; U1000.R17 100.32,75.84 ; U1000.M19 v1(98.7,74.21) U1000.N19 v1(98.7,74.86) ; 100.97,75.84 U1000.R16 101.3,75.51 100.97,75.19 ; 100.97,75.84 v1(100.65,76.16) ; 100.97,75.84 101.3,76.16 U1000.T16 ; 100.97,75.84 v1(100.65,75.51) ; U1000.N16 100.97,74.54 ; U1000.N16 100.97,74.54 v1(100.65,74.21) ; 100.97,74.54 v1(101.3,74.21) U1000.M16 100.97,73.89 v1(100.65,74.21) ; 100.97,74.54 v1(101.3,74.86) U1000.P16 100.97,75.19 ; 100.32,74.54 U1000.N17 ; 100.97,75.19 v1(100.65,75.51) ; v1(100.65,76.16) 100.32,75.84 ; v1(100.65,74.21) U1000.N17 ; v1(100.65,74.21) U1000.M17 100.32,73.89 100,74.21 100.32,74.54 U1000.N17 ; 100.32,76.49 v1(100,76.16) 100.32,75.84
  L4-S1 w0.089: 98.14,63.87 98.22,63.95 98.22,65.47 100.35,67.61 100.35,70.15 100.32,70.18 100.32,71.78 99.87,72.23 99.87,72.26
  L4-S1 w0.102: 98.14,63.87 96.59,62.32 96.59,50.18 93.77,47.36 v1(93.52,47.36) ; v1(159.99,128.97) 160.12,128.85 160.12,128.55 160.91,127.75 160.91,115.46 162.23,114.14 162.23,113.12 161.52,112.41 161.52,107.43 162.33,106.62 162.33,104.28 161.31,103.27 161.31,98.8 159.37,96.86 159.37,91.17 158.06,89.86 158.06,65.28 149.32,56.54 149.32,45.05 v1(149.12,44.85)
  L6-S2 w0.102: v1(149.12,44.85) 149.12,44.95 149.02,45.05 134.9,45.05 134.19,44.34 97.18,44.34 93.77,47.74 93.77,48.76 91.87,50.67 87.93,50.67 v1(87.81,50.54)
  BOTTOM w0.102: J9800.17 142.79,135.61 143.13,135.27 143.13,134.48 143.96,133.65 150.22,133.65 151.44,134.87 154.83,134.87 160.09,129.6 160.09,129.07 v1(159.99,128.97) ; R2200.2 88.16,50.9 v1(87.81,50.54) ; v1(93.52,47.36) 93.52,46.22 92.76,45.46 91.23,45.46 90.22,44.44 89.85,44.44 R2202.2
  BOTTOM w0.152: R2202.2 C2204.2 89,42.6 U2200.A4
  vias: v2(90.37,50.16) v2(90.37,49.52) v2(90.37,48.89) v2(90.37,48.25) v2(91.01,50.16) v2(91.01,49.52) v2(91.01,48.89) v2(91.01,48.25) v2(91.64,50.16) v2(91.64,49.52) v2(91.64,48.89) v2(91.64,48.25) v2(92.25,49.29)
